# KiCad board Collins-FMS-3000.kicad_pcb (continued)
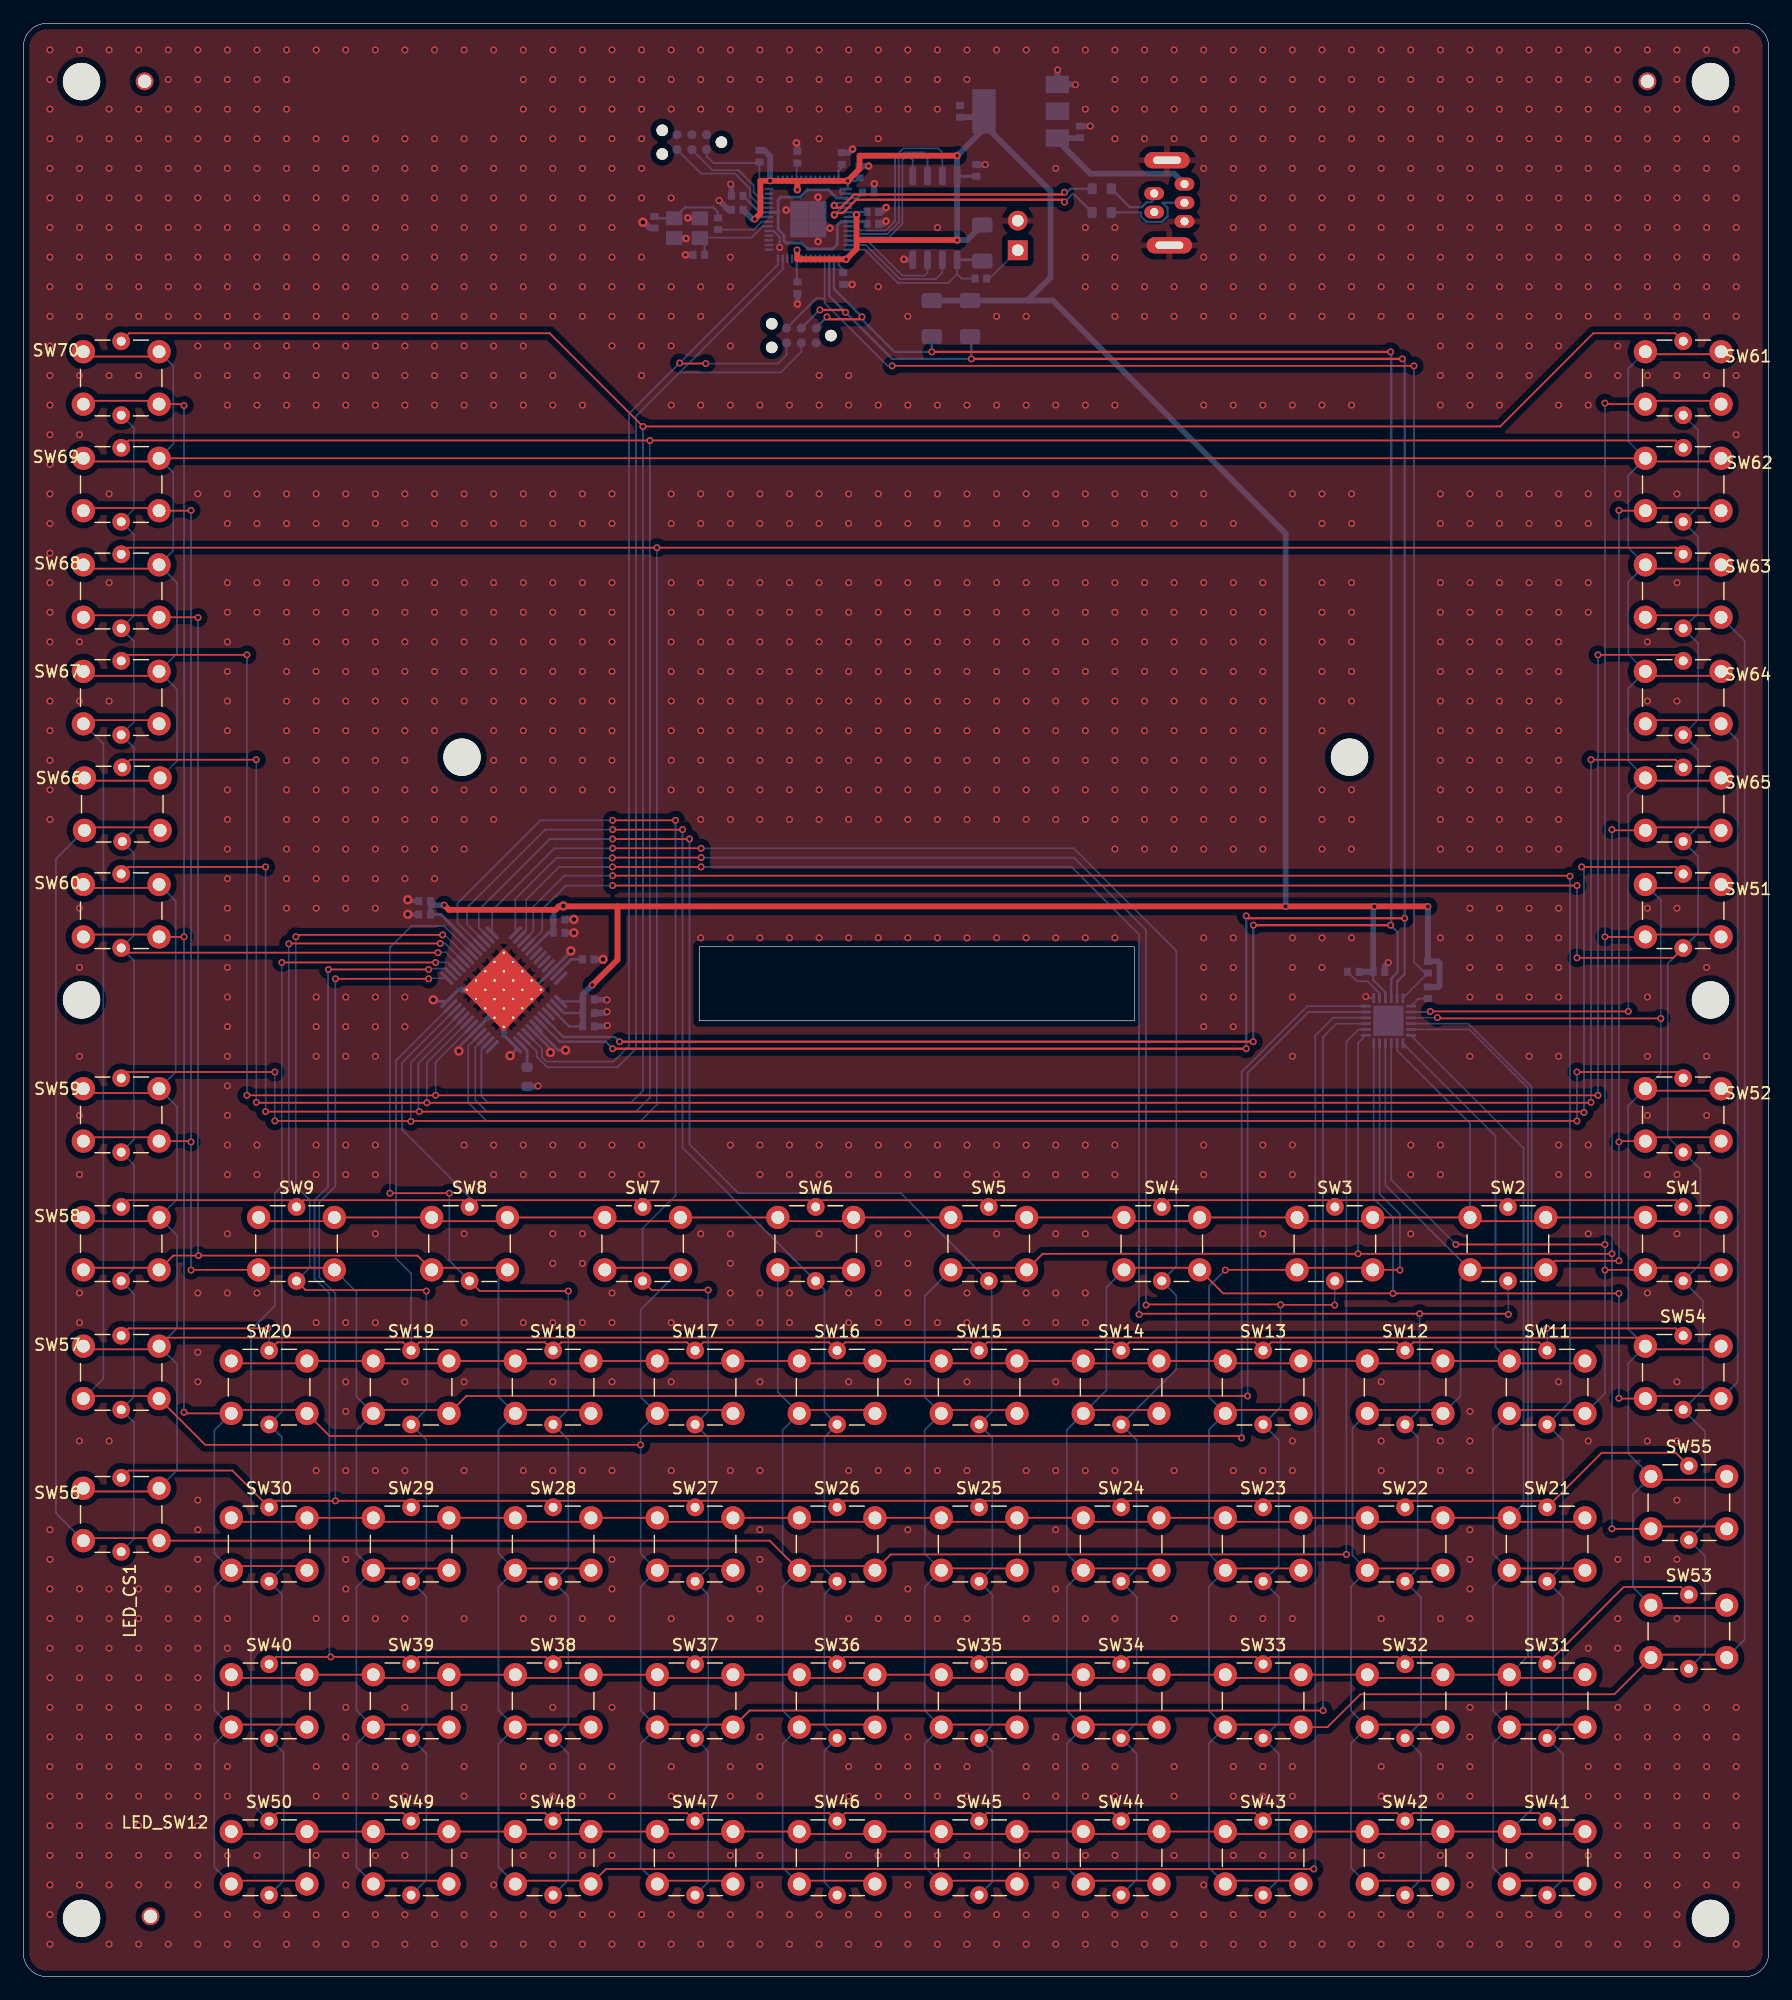
[diagram p0: board, top side]
## Routing (per net, layer and track width the routed paths; a pad name or vN(x,y) marks a point on that pad's centre or on a via; arc(x,y) is an arc through that point)
+1V1: length 24.8
  Bottom w0.2: C11.1 63.22,151.42 U6.23 ; U6.45 71.57,152.62 C10.1
  Bottom w0.25: 64.81,151.45 64.78,151.42 U6.23 ; 64.81,151.45 64.81,149.96 65.31,149.46 65.31,148.97 65.5,148.79 66.84,148.79 67.35,148.28 69.51,148.28 69.89,148.66 69.89,150.31 70.2,150.62 U6.50 72.26,150.62 C12.1 ; 64.81,151.45 64.81,152.47 65.06,152.72 66.72,152.72 67.35,153.36 69.13,153.36 69.84,152.64 70.76,152.64
+3V3: length 305.3
  Top w0.25: 71.67,149.04 71.54,149.17
  Top w0.5: v1(62.8,150.84) 63.29,151.33 63.29,154.12 66.46,154.12 ; v1(120.6,91.84) 120.58,91.86 51.02,91.86 ; v3(80.18,156.28) 71.8,156.28 71.8,155.14 v3(70.78,154.12) 66.46,154.12 ; v3(80.18,149.04) 71.67,149.04 ; 66.46,154.12 v3(66.46,153.36) ; 51.02,91.86 51.02,87.27 v1(48.84,85.1) ; 51.02,91.86 45.99,91.86 45.69,91.56 36.54,91.56 v1(36.14,91.96) ; v3(71.54,151.22) 71.54,151.22 71.54,148.28 v3(70.65,147.39) 66.46,147.39 66.44,147.41 v1(66.44,148.18)
  Bottom w0.15: U6.33 66.4,155.59
  Bottom w0.2: v3(71.54,151.22) 71.34,151.02 U6.49 ; v3(71.54,151.22) 71.78,151.45 C19.1 ; v3(71.54,151.22) 71.54,151.32 71.45,151.42 U6.48 ; U6.44 70.23,153.02 70.14,153.1 70.14,153.36 70.2,153.42 U6.43 70.79,153.99 70.57,154.2 U6.42 70,155 70.4,155.4 ; v3(66.46,153.36) 66.4,153.42 U6.33 ; 66.41,147.4 66.41,145.5 ; U2.21 116.95,84.49 115.9,85.54 C1.1 ; v1(66.44,148.18) 66.4,148.15 U6.10 ; U4.39 46.87,81.56 C28.1 ; U6.22 62.98,151.02 v1(62.8,150.84) ; U4.38 46.43,82.7 C27.1 ; U4.37 47.88,83.7 ; v3(70.65,147.39) 70.61,147.43 U6.1 70,146.9 70.4,146.5 C18.1 ; C13.1 71.53,154.12 v3(70.78,154.12) 70.78,153.99
  Bottom w0.25: 34.94,92.31 34.94,91.29 ; U4.29 45.09,89.59 45.52,89.59 ; 34.94,91.16 35.85,91.16 U4.20 ; C8.1 80.21,154.51
  Bottom w0.381: C25.1 C22.1 ; 45.52,90.74 45.52,91.36 46.05,91.89 v2(46.37,91.89)
  Bottom w0.5: 48.05,83.85 48.05,81.56 48.05,83.85 ; 48.05,83.85 48.05,84.31 v1(48.84,85.1) ; C26.1 C23.1 ; R8.1 C1.1 115.9,91.74 v1(116,91.84) ; 82.49,158.59 v3(80.18,156.28) U5.8 v3(80.18,149.04) 81.04,149.04 R3.1 ; 86.21,143.85 88.2,145.84 88.2,153.24 82.49,158.95 ; C25.1 35.31,91.96 v1(36.14,91.96) ; v1(120.6,91.84) R9.1 121.45,87.14 121.6,86.99 121.6,85.04 121.5,84.94 R12.1 ; C16.1 62.6,150.84 v1(62.8,150.84) ; v1(108.38,91.86) 108.38,123.86 88.39,143.85 R11.1 ; v1(64.12,154.12) 64.12,156.24 63.62,156.74 R13.1 ; 81.98,159.58 C9.1
GND: length 70.8
  Bottom w0.2: v3(68.24,152.72) 68.18,152.66 U6.57 ; v3(69.25,150.06) 69.24,150.04 U6.57 68.18,148.98 v3(68.24,148.91) ; v1(64.94,148.41) 64.94,149.3 64.42,149.82 U6.19 ; v3(65.5,151.62) 65.52,151.59 U6.57 ; U2.19 115.4,83.98 v1(115.26,84.12)
  Bottom w0.25: 49.01,87.31 v2(49.77,87.31) ; 46.48,90.74 v2(47.27,90.74) ; 46.48,89.59 v2(47.27,89.59) ; U4.49 41.26,80.81 U4.48 42.26,79.5 v2(41.8,79.04) ; 43.73,84.7 U4.34 47.01,87.98 v2(47.01,88.03) ; v2(45.26,79.31) 45.26,79.63 U4.44 ; 33.98,92.31 33.13,92.31 ; 33.98,91.16 33.03,91.16 ; v2(35.2,83.84) 35.34,83.7 U4.12 37.37,84.7 37.48,84.7 ; 39.9,82.28 U4.5 37.4,79.78 v2(37.4,79.44) ; U4.43 44.02,81.42 45.93,79.51 v2(46.56,79.51)
  Bottom w0.381: C26.2 v2(47.27,90.74) ; R6.2 v2(49.77,87.31) ; v2(33.01,92.43) 33.13,92.31 C25.2 ; v2(33.01,91.18) 33.03,91.16 C22.2 ; C23.2 v2(47.27,89.59)
  Bottom w0.5: 49.01,83.85 50.1,83.85 v1(50.11,83.83) ; 49.01,82.7 50,82.7 v1(50.11,82.81) ; 49.01,81.56 50.06,81.56 v1(50.14,81.63) ; v2(53.2,150.56) 53.3,150.56 53.8,150.06 C6.2 ; Y1.2 57.09,150.91 v3(57.05,150.94) ; C8.2 82.58,155.51 v1(82.59,155.52) ; v3(73.06,153.87) 73.06,153.86 C10.2 ; v3(66.38,157.38) 66.46,157.3 C15.2 ; C5.2 v3(56.85,147.77) ; v1(88.81,163.64) 88.79,163.62 U1.1 90.32,162.39 v1(90.34,162.38) ; v1(60.74,153.84) 60.8,153.78 C11.2 ; C14.2 70.9,156.54 v3(71.2,156.84) ; v3(72.57,155.39) 72.57,155.38 C13.2 ; C12.2 73.85,150.44 v3(74.07,150.66) ; C16.2 60.54,151.64 v1(59.74,152.44) ; C1.2 116.9,86.74 v1(117.2,87.04) ; v3(74.08,151.83) 73.7,151.45 C19.2 ; C18.2 71.15,145.24 v3(71.16,145.23) ; v3(75.61,147.39) 75.65,147.34 U5.4 ; v1(44.2,76.44) 44.16,76.4 R7.2 ; v3(56.91,149.17) 56.87,149.21 Y1.4 ; U4.49 41.26,80.84 ; C7.2 91.6,158.81 v1(91.61,158.82) ; C17.2 v3(66.47,143.54) ; 41.26,83.63 39.9,82.28 ; U4.49 37.48,84.7
  vias: v1(2.29,165.35) v1(2.29,162.81) v1(2.29,160.27) v1(2.29,157.73) v1(2.29,155.19) v1(2.29,152.65) v1(2.29,150.11) v1(2.29,147.57) v1(2.29,145.03) v1(2.29,142.49) v1(2.29,139.95) v1(2.29,137.41) v1(2.29,134.87) v1(2.29,132.33) v1(2.29,129.79) v1(2.29,127.25) v1(2.29,124.71) v1(2.29,122.17) v1(2.29,119.63) v1(2.29,117.09) v1(2.29,114.55) v1(2.29,112.01) v1(2.29,109.47) v1(2.29,106.93) v1(2.29,104.39) v1(2.29,101.85) v1(2.29,99.31) v1(2.29,38.35) v1(2.29,35.81) v1(2.29,33.27) v1(2.29,30.73) v1(2.29,28.19) v1(2.29,25.65) v1(2.29,23.11) v1(2.29,20.57) v1(2.29,18.03) v1(2.29,15.49) v1(2.29,12.95) v1(2.29,10.41) v1(2.29,7.87) v1(2.29,5.33) v1(2.29,2.79) v1(4.83,165.35) v1(4.83,157.73) v1(4.83,155.19) v1(4.83,152.65) v1(4.83,150.11) v1(4.83,147.57) v1(4.83,145.03) v1(4.83,142.49) v1(4.83,137.41) v1(4.83,132.33) v1(4.83,114.55) v1(4.83,109.47) v1(4.83,91.69) v1(4.83,86.61) v1(4.83,78.99) v1(4.83,73.91) v1(4.83,68.83) v1(4.83,58.67) v1(4.83,56.13) v1(4.83,45.97) v1(4.83,33.27) v1(4.83,30.73) v1(4.83,28.19) v1(4.83,25.65) v1(4.83,23.11) v1(4.83,20.57) v1(4.83,18.03) v1(4.83,15.49) v1(4.83,12.95) v1(4.83,10.41) v1(4.83,7.87) v1(7.37,165.35) v1(7.37,160.27) v1(7.37,157.73) v1(7.37,155.19) v1(7.37,152.65) v1(7.37,150.11) v1(7.37,147.57) v1(7.37,145.03) v1(7.37,142.49) v1(7.37,137.41) v1(7.37,127.25) v1(7.37,119.63) v1(7.37,109.47) v1(7.37,45.97) v1(7.37,33.27) v1(7.37,30.73) v1(7.37,28.19) v1(7.37,25.65) v1(7.37,23.11) v1(7.37,20.57) v1(7.37,18.03) v1(7.37,15.49) v1(7.37,12.95) v1(7.37,10.41) v1(7.37,7.87) v1(7.37,2.79) v1(9.91,165.35) v1(9.91,160.27) v1(9.91,157.73) v1(9.91,155.19) v1(9.91,152.65) v1(9.91,150.11) v1(9.91,147.57) v1(9.91,145.03) v1(9.91,142.49) v1(9.91,137.41) v1(9.91,33.27) v1(9.91,30.73) v1(9.91,28.19) v1(9.91,25.65) v1(9.91,23.11) v1(9.91,20.57) v1(9.91,18.03) v1(9.91,15.49) v1(9.91,12.95) v1(9.91,10.41) v1(9.91,7.87) v1(9.91,2.79) v1(12.45,165.35) v1(12.45,162.81) v1(12.45,160.27) v1(12.45,157.73) v1(12.45,155.19) v1(12.45,152.65) v1(12.45,150.11) v1(12.45,147.57) v1(12.45,145.03) v1(12.45,142.49) v1(12.45,33.27) v1(12.45,30.73) v1(12.45,28.19) v1(12.45,25.65) v1(12.45,23.11) v1(12.45,20.57) v1(12.45,18.03) v1(12.45,15.49) v1(12.45,12.95) v1(12.45,10.41) v1(12.45,7.87) v1(12.45,2.79) v1(14.99,165.35) v1(14.99,162.81) v1(14.99,160.27) v1(14.99,157.73) v1(14.99,155.19) v1(14.99,152.65) v1(14.99,150.11) v1(14.99,147.57) v1(14.99,145.03) v1(14.99,142.49) v1(14.99,139.95) v1(14.99,137.41) v1(14.99,127.25) v1(14.99,58.67) v1(14.99,53.59) v1(14.99,51.05) v1(14.99,40.89) v1(14.99,38.35) v1(14.99,35.81) v1(14.99,33.27) v1(14.99,30.73) v1(14.99,28.19) v1(14.99,25.65) v1(14.99,23.11) v1(14.99,20.57) v1(14.99,18.03) v1(14.99,15.49) v1(14.99,12.95) v1(14.99,10.41) v1(14.99,7.87) v1(14.99,5.33) v1(14.99,2.79) v1(17.53,165.35) v1(17.53,162.81) v1(17.53,160.27) v1(17.53,157.73) v1(17.53,155.19) v1(17.53,152.65) v1(17.53,150.11) v1(17.53,147.57) v1(17.53,145.03) v1(17.53,142.49) v1(17.53,139.95) v1(17.53,137.41) v1(17.53,134.87) v1(17.53,127.25) v1(17.53,124.71) v1(17.53,119.63) v1(17.53,117.09) v1(17.53,114.55) v1(17.53,112.01) v1(17.53,109.47) v1(17.53,106.93) v1(17.53,101.85) v1(17.53,99.31) v1(17.53,96.77) v1(17.53,94.23) v1(17.53,91.69) v1(17.53,89.15) v1(17.53,86.61) v1(17.53,84.07) v1(17.53,81.53) v1(17.53,78.99) v1(17.53,76.45) v1(17.53,73.91) v1(17.53,71.37) v1(17.53,68.83) v1(17.53,63.75) v1(17.53,58.67) v1(17.53,30.73) v1(17.53,28.19) v1(17.53,18.03) v1(17.53,15.49) v1(17.53,10.41) v1(17.53,5.33) v1(17.53,2.79) v1(20.07,165.35) v1(20.07,162.81) v1(20.07,160.27) v1(20.07,157.73) v1(20.07,155.19) v1(20.07,152.65) v1(20.07,150.11) v1(20.07,147.57) v1(20.07,145.03) v1(20.07,142.49) v1(20.07,139.95) v1(20.07,137.41) v1(20.07,134.87) v1(20.07,127.25) v1(20.07,124.71) v1(20.07,119.63) v1(20.07,117.09) v1(20.07,71.37) v1(20.07,68.83) v1(20.07,58.67) v1(20.07,10.41) v1(20.07,5.33) v1(20.07,2.79) v1(22.61,165.35) v1(22.61,162.81) v1(22.61,160.27) v1(22.61,157.73) v1(22.61,155.19) v1(22.61,152.65) v1(22.61,150.11) v1(22.61,147.57) v1(22.61,145.03) v1(22.61,142.49) v1(22.61,139.95) v1(22.61,137.41) v1(22.61,134.87) v1(22.61,127.25) v1(22.61,124.71) v1(22.61,119.63) v1(22.61,117.09) v1(22.61,114.55) v1(22.61,112.01) v1(22.61,109.47) v1(22.61,106.93) v1(22.61,104.39) v1(22.61,101.85) v1(22.61,99.31) v1(22.61,96.77) v1(22.61,94.23) v1(22.61,91.69) v1(22.61,5.33) v1(22.61,2.79) v1(25.15,165.35) v1(25.15,157.73) v1(25.15,155.19) v1(25.15,152.65) v1(25.15,150.11) v1(25.15,147.57) v1(25.15,145.03) v1(25.15,142.49) v1(25.15,139.95) v1(25.15,137.41) v1(25.15,134.87) v1(25.15,127.25) v1(25.15,124.71) v1(25.15,119.63) v1(25.15,117.09) v1(25.15,114.55) v1(25.15,112.01) v1(25.15,109.47) v1(25.15,106.93) v1(25.15,104.39) v1(25.15,101.85) v1(25.15,99.31) v1(25.15,96.77) v1(25.15,94.23) v1(25.15,91.69) v1(25.15,84.07) v1(25.15,81.53) v1(25.15,78.99) v1(25.15,71.37) v1(25.15,68.83) v1(25.15,56.13) v1(25.15,43.43) v1(25.15,30.73) v1(25.15,18.03) v1(25.15,15.49) v1(25.15,10.41) v1(25.15,5.33) v1(25.15,2.79) v1(27.69,165.35) v1(27.69,157.73) v1(27.69,155.19) v1(27.69,152.65) v1(27.69,150.11) v1(27.69,147.57) v1(27.69,145.03) v1(27.69,142.49) v1(27.69,139.95) v1(27.69,137.41) v1(27.69,134.87) v1(27.69,127.25) v1(27.69,124.71) v1(27.69,119.63) v1(27.69,117.09) v1(27.69,114.55) v1(27.69,112.01) v1(27.69,109.47) v1(27.69,106.93) v1(27.69,104.39) v1(27.69,101.85) v1(27.69,99.31) v1(27.69,96.77) v1(27.69,94.23) v1(27.69,91.69) v1(27.69,84.07) v1(27.69,81.53) v1(27.69,78.99) v1(27.69,71.37) v1(27.69,68.83) v1(27.69,56.13) v1(27.69,51.05) v1(27.69,48.51) v1(27.69,43.43) v1(27.69,35.81) v1(27.69,33.27) v1(27.69,30.73) v1(27.69,23.11) v1(27.69,20.57) v1(27.69,18.03) v1(27.69,15.49) v1(27.69,10.41) v1(27.69,7.87) v1(27.69,5.33) v1(27.69,2.79) v1(30.23,165.35) v1(30.23,157.73) v1(30.23,155.19) v1(30.23,152.65) v1(30.23,150.11) v1(30.23,147.57) v1(30.23,145.03) v1(30.23,142.49) v1(30.23,139.95) v1(30.23,137.41) v1(30.23,134.87) v1(30.23,127.25) v1(30.23,124.71) v1(30.23,119.63) v1(30.23,117.09) v1(30.23,114.55) v1(30.23,112.01) v1(30.23,109.47) v1(30.23,106.93) v1(30.23,104.39) v1(30.23,101.85) v1(30.23,99.31) v1(30.23,96.77) v1(30.23,94.23) v1(30.23,91.69) v1(30.23,84.07) v1(30.23,81.53) v1(30.23,78.99) v1(30.23,71.37) v1(30.23,68.83) v1(30.23,63.75) v1(30.23,56.13) v1(30.23,43.43) v1(30.23,30.73) v1(30.23,18.03) v1(30.23,15.49) v1(30.23,10.41) v1(30.23,5.33) v1(30.23,2.79) v1(32.77,165.35) v1(32.77,157.73) v1(32.77,155.19) v1(32.77,152.65) v1(32.77,150.11) v1(32.77,147.57) v1(32.77,145.03) v1(32.77,142.49) v1(32.77,139.95) v1(32.77,137.41) v1(32.77,134.87) v1(32.77,127.25) v1(32.77,124.71) v1(32.77,119.63) v1(32.77,117.09) v1(32.77,114.55) v1(32.77,112.01) v1(32.77,109.47) v1(32.77,106.93) v1(32.77,104.39) v1(32.77,101.85) v1(32.77,99.31) v1(32.77,96.77) v1(32.77,94.23) v1(32.77,84.07) v1(32.77,81.53) v1(32.77,51.05) v1(32.77,43.43) v1(32.77,30.73) v1(32.77,23.11) v1(32.77,18.03) v1(32.77,15.49) v1(32.77,10.41) v1(32.77,5.33) v1(32.77,2.79) v1(35.31,165.35) v1(35.31,157.73) v1(35.31,155.19) v1(35.31,152.65) v1(35.31,150.11) v1(35.31,147.57) v1(35.31,145.03) v1(35.31,142.49) v1(35.31,139.95) v1(35.31,137.41) v1(35.31,134.87) v1(35.31,127.25) v1(35.31,124.71) v1(35.31,119.63) v1(35.31,117.09) v1(35.31,114.55) v1(35.31,112.01) v1(35.31,109.47) v1(35.31,106.93) v1(35.31,101.85) v1(35.31,99.31) v1(35.31,96.77) v1(35.31,94.23) v1(35.31,5.33) v1(35.31,2.79) v1(37.85,165.35) v1(37.85,157.73) v1(37.85,155.19) v1(37.85,152.65) v1(37.85,150.11) v1(37.85,147.57) v1(37.85,145.03) v1(37.85,142.49) v1(37.85,139.95) v1(37.85,137.41) v1(37.85,134.87) v1(37.85,127.25) v1(37.85,124.71) v1(37.85,119.63) v1(37.85,117.09) v1(37.85,114.55) v1(37.85,112.01) v1(37.85,109.47) v1(37.85,101.85) v1(37.85,99.31) v1(37.85,96.77) v1(37.85,71.37) v1(37.85,63.75) v1(37.85,56.13) v1(37.85,51.05) v1(37.85,43.43) v1(37.85,30.73) v1(37.85,23.11) v1(37.85,18.03) v1(37.85,15.49) v1(37.85,10.41) v1(37.85,5.33) v1(37.85,2.79) v1(40.39,165.35) v1(40.39,157.73) v1(40.39,155.19) v1(40.39,152.65) v1(40.39,150.11) v1(40.39,147.57) v1(40.39,145.03) v1(40.39,142.49) v1(40.39,139.95) v1(40.39,137.41) v1(40.39,134.87) v1(40.39,127.25) v1(40.39,124.71) v1(40.39,119.63) v1(40.39,117.09) v1(40.39,114.55) v1(40.39,112.01) v1(40.39,109.47) v1(40.39,106.93) v1(40.39,104.39) v1(40.39,101.85) v1(40.39,99.31) v1(40.39,71.37) v1(40.39,68.83) v1(40.39,7.87) v1(40.39,5.33) v1(40.39,2.79) v1(42.93,165.35) v1(42.93,162.81) v1(42.93,160.27) v1(42.93,157.73) v1(42.93,155.19) v1(42.93,152.65) v1(42.93,150.11) v1(42.93,147.57) v1(42.93,145.03) v1(42.93,142.49) v1(42.93,139.95) v1(42.93,137.41) v1(42.93,134.87) v1(42.93,127.25) v1(42.93,124.71) v1(42.93,119.63) v1(42.93,117.09) v1(42.93,114.55) v1(42.93,112.01) v1(42.93,109.47) v1(42.93,106.93) v1(42.93,104.39) v1(42.93,101.85) v1(42.93,71.37) v1(42.93,68.83) v1(42.93,56.13) v1(42.93,43.43) v1(42.93,30.73) v1(42.93,18.03) v1(42.93,15.49) v1(42.93,10.41) v1(42.93,5.33) v1(42.93,2.79) v1(45.47,165.35) v1(45.47,162.81) v1(45.47,160.27) v1(45.47,157.73) v1(45.47,155.19) v1(45.47,152.65) v1(45.47,150.11) v1(45.47,147.57) v1(45.47,145.03) v1(45.47,142.49) v1(45.47,137.41) v1(45.47,134.87) v1(45.47,127.25) v1(45.47,124.71) v1(45.47,119.63) v1(45.47,117.09) v1(45.47,114.55) v1(45.47,112.01) v1(45.47,109.47) v1(45.47,106.93) v1(45.47,104.39) v1(45.47,101.85) v1(45.47,71.37) v1(45.47,68.83) v1(45.47,63.75) v1(45.47,61.21) v1(45.47,56.13) v1(45.47,51.05) v1(45.47,43.43) v1(45.47,30.73) v1(45.47,23.11) v1(45.47,18.03) v1(45.47,15.49) v1(45.47,10.41) v1(45.47,5.33) v1(45.47,2.79) v1(48.01,165.35) v1(48.01,162.81) v1(48.01,160.27) v1(48.01,157.73) v1(48.01,155.19) v1(48.01,152.65) v1(48.01,150.11) v1(48.01,147.57) v1(48.01,145.03) v1(48.01,142.49) v1(48.01,134.87) v1(48.01,127.25) v1(48.01,124.71) v1(48.01,119.63) v1(48.01,117.09) v1(48.01,114.55) v1(48.01,112.01) v1(48.01,109.47) v1(48.01,106.93) v1(48.01,104.39) v1(48.01,101.85) v1(48.01,71.37) v1(48.01,68.83) v1(48.01,63.75) v1(48.01,61.21) v1(48.01,56.13) v1(48.01,43.43) v1(48.01,30.73) v1(48.01,18.03) v1(48.01,15.49) v1(48.01,10.41) v1(48.01,5.33) v1(48.01,2.79) v1(50.55,165.35) v1(50.55,162.81) v1(50.55,160.27) v1(50.55,157.73) v1(50.55,155.19) v1(50.55,152.65) v1(50.55,150.11) v1(50.55,147.57) v1(50.55,145.03) v1(50.55,142.49) v1(50.55,139.95) v1(50.55,127.25) v1(50.55,124.71) v1(50.55,119.63) v1(50.55,117.09) v1(50.55,114.55) v1(50.55,112.01) v1(50.55,109.47) v1(50.55,106.93) v1(50.55,104.39) v1(50.55,101.85) v1(50.55,71.37) v1(50.55,68.83) v1(50.55,58.67) v1(50.55,56.13) v1(50.55,51.05) v1(50.55,43.43) v1(50.55,35.81) v1(50.55,33.27) v1(50.55,30.73) v1(50.55,23.11) v1(50.55,18.03) v1(50.55,15.49) v1(50.55,10.41) v1(50.55,5.33) v1(50.55,2.79) v1(53.09,165.35) v1(53.09,162.81) v1(53.09,160.27) v1(53.09,157.73) v1(53.09,155.19) v1(53.09,152.65) v1(53.09,147.57) v1(53.09,145.03) v1(53.09,142.49) v1(53.09,139.95) v1(53.09,137.41) v1(53.09,71.37) v1(53.09,68.83) v1(53.09,5.33) v1(53.09,2.79) v1(55.63,165.35) v1(55.63,162.81) v1(55.63,160.27) v1(55.63,152.65) v1(55.63,145.03) v1(55.63,142.49) v1(55.63,139.95) v1(55.63,134.87) v1(55.63,127.25) v1(55.63,124.71) v1(55.63,119.63) v1(55.63,117.09) v1(55.63,114.55) v1(55.63,112.01) v1(55.63,109.47) v1(55.63,106.93) v1(55.63,104.39) v1(55.63,101.85) v1(55.63,56.13) v1(55.63,51.05) v1(55.63,43.43) v1(55.63,30.73) v1(55.63,18.03) v1(55.63,15.49) v1(55.63,10.41) v1(55.63,5.33) v1(55.63,2.79) v1(58.17,165.35) v1(58.17,162.81) v1(58.17,160.27) v1(58.17,145.03) v1(58.17,142.49) v1(58.17,134.87) v1(58.17,127.25) v1(58.17,124.71) v1(58.17,119.63) v1(58.17,117.09) v1(58.17,114.55) v1(58.17,112.01) v1(58.17,109.47) v1(58.17,106.93) v1(58.17,104.39) v1(58.17,101.85) v1(58.17,99.31) v1(58.17,89.15) v1(58.17,63.75) v1(58.17,5.33) v1(58.17,2.79) v1(60.71,165.35) v1(60.71,162.81) v1(60.71,160.27) v1(60.71,147.57) v1(60.71,145.03) v1(60.71,139.95) v1(60.71,134.87) v1(60.71,127.25) v1(60.71,124.71) v1(60.71,119.63) v1(60.71,117.09) v1(60.71,114.55) v1(60.71,112.01) v1(60.71,109.47) v1(60.71,106.93) v1(60.71,104.39) v1(60.71,101.85) v1(60.71,99.31) v1(60.71,89.15) v1(60.71,71.37) v1(60.71,63.75) v1(60.71,61.21) v1(60.71,58.67) v1(60.71,56.13) v1(60.71,43.43) v1(60.71,30.73) v1(60.71,18.03) v1(60.71,15.49) v1(60.71,10.41) v1(60.71,5.33) v1(60.71,2.79) v1(63.25,165.35) v1(63.25,162.81) v1(63.25,160.27) v1(63.25,134.87) v1(63.25,127.25) v1(63.25,124.71) v1(63.25,119.63) v1(63.25,117.09) v1(63.25,114.55) v1(63.25,112.01) v1(63.25,109.47) v1(63.25,106.93) v1(63.25,104.39) v1(63.25,101.85) v1(63.25,99.31) v1(63.25,89.15) v1(63.25,71.37) v1(63.25,68.83) v1(63.25,58.67) v1(63.25,56.13) v1(63.25,51.05) v1(63.25,43.43) v1(63.25,38.35) v1(63.25,35.81) v1(63.25,33.27) v1(63.25,30.73) v1(63.25,20.57) v1(63.25,18.03) v1(63.25,15.49) v1(63.25,10.41) v1(63.25,7.87) v1(63.25,5.33) v1(63.25,2.79) v1(65.79,165.35) v1(65.79,162.81) v1(65.79,160.27) v1(65.79,134.87) v1(65.79,127.25) v1(65.79,124.71) v1(65.79,119.63) v1(65.79,117.09) v1(65.79,114.55) v1(65.79,112.01) v1(65.79,109.47) v1(65.79,106.93) v1(65.79,104.39) v1(65.79,101.85) v1(65.79,99.31) v1(65.79,89.15) v1(65.79,71.37) v1(65.79,68.83) v1(65.79,58.67) v1(65.79,56.13) v1(65.79,5.33) v1(65.79,2.79) v1(68.33,165.35) v1(68.33,162.81) v1(68.33,160.27) v1(68.33,157.73) v1(68.33,137.41) v1(68.33,134.87) v1(68.33,127.25) v1(68.33,124.71) v1(68.33,119.63) v1(68.33,117.09) v1(68.33,114.55) v1(68.33,112.01) v1(68.33,109.47) v1(68.33,106.93) v1(68.33,104.39) v1(68.33,101.85) v1(68.33,99.31) v1(68.33,89.15) v1(68.33,71.37) v1(68.33,68.83) v1(68.33,63.75) v1(68.33,5.33) v1(68.33,2.79) v1(70.87,165.35) v1(70.87,162.81) v1(70.87,160.27) v1(70.87,137.41) v1(70.87,134.87) v1(70.87,127.25) v1(70.87,124.71) v1(70.87,119.63) v1(70.87,117.09) v1(70.87,114.55) v1(70.87,112.01) v1(70.87,109.47) v1(70.87,106.93) v1(70.87,104.39) v1(70.87,101.85) v1(70.87,99.31) v1(70.87,89.15) v1(70.87,71.37) v1(70.87,68.83) v1(70.87,58.67) v1(70.87,56.13) v1(70.87,51.05) v1(70.87,43.43) v1(70.87,30.73) v1(70.87,18.03) v1(70.87,15.49) v1(70.87,10.41) v1(70.87,5.33) v1(70.87,2.79) v1(73.41,165.35) v1(73.41,162.81) v1(73.41,160.27) v1(73.41,157.73) v1(73.41,145.03) v1(73.41,134.87) v1(73.41,127.25) v1(73.41,124.71) v1(73.41,119.63) v1(73.41,117.09) v1(73.41,114.55) v1(73.41,112.01) v1(73.41,109.47) v1(73.41,106.93) v1(73.41,104.39) v1(73.41,101.85) v1(73.41,99.31) v1(73.41,89.15) v1(73.41,71.37) v1(73.41,68.83) v1(73.41,63.75) v1(73.41,61.21) v1(73.41,58.67) v1(73.41,56.13) v1(73.41,43.43) v1(73.41,30.73) v1(73.41,18.03) v1(73.41,15.49) v1(73.41,10.41) v1(73.41,5.33) v1(73.41,2.79) v1(75.95,165.35) v1(75.95,162.81) v1(75.95,160.27) v1(75.95,142.49) v1(75.95,134.87) v1(75.95,127.25) v1(75.95,124.71) v1(75.95,119.63) v1(75.95,117.09) v1(75.95,114.55) v1(75.95,112.01) v1(75.95,109.47) v1(75.95,106.93) v1(75.95,104.39) v1(75.95,101.85) v1(75.95,99.31) v1(75.95,89.15) v1(75.95,71.37) v1(75.95,68.83) v1(75.95,63.75) v1(75.95,61.21) v1(75.95,58.67) v1(75.95,56.13) v1(75.95,51.05) v1(75.95,43.43) v1(75.95,38.35) v1(75.95,33.27) v1(75.95,30.73) v1(75.95,20.57) v1(75.95,18.03) v1(75.95,15.49) v1(75.95,10.41) v1(75.95,7.87) v1(75.95,5.33) v1(75.95,2.79) v1(78.49,165.35) v1(78.49,162.81) v1(78.49,160.27) v1(78.49,150.11) v1(78.49,134.87) v1(78.49,127.25) v1(78.49,124.71) v1(78.49,119.63) v1(78.49,117.09) v1(78.49,114.55) v1(78.49,112.01) v1(78.49,109.47) v1(78.49,106.93) v1(78.49,104.39) v1(78.49,101.85) v1(78.49,99.31) v1(78.49,89.15) v1(78.49,71.37) v1(78.49,68.83) v1(78.49,56.13) v1(78.49,43.43) v1(78.49,30.73) v1(78.49,18.03) v1(78.49,15.49) v1(78.49,10.41) v1(78.49,5.33) v1(78.49,2.79) v1(81.03,165.35) v1(81.03,162.81) v1(81.03,134.87) v1(81.03,127.25) v1(81.03,124.71) v1(81.03,119.63) v1(81.03,117.09) v1(81.03,114.55) v1(81.03,112.01) v1(81.03,109.47) v1(81.03,106.93) v1(81.03,104.39) v1(81.03,101.85) v1(81.03,99.31) v1(81.03,89.15) v1(81.03,71.37) v1(81.03,68.83) v1(81.03,58.67) v1(81.03,56.13) v1(81.03,51.05) v1(81.03,43.43) v1(81.03,30.73) v1(81.03,18.03) v1(81.03,15.49) v1(81.03,10.41) v1(81.03,5.33) v1(81.03,2.79) v1(83.57,165.35) v1(83.57,142.49) v1(83.57,134.87) v1(83.57,127.25) v1(83.57,124.71) v1(83.57,119.63) v1(83.57,117.09) v1(83.57,114.55) v1(83.57,112.01) v1(83.57,109.47) v1(83.57,106.93) v1(83.57,104.39) v1(83.57,101.85) v1(83.57,99.31) v1(83.57,89.15) v1(83.57,71.37) v1(83.57,68.83) v1(83.57,63.75) v1(83.57,5.33) v1(83.57,2.79) v1(86.11,165.35) v1(86.11,142.49) v1(86.11,134.87) v1(86.11,127.25) v1(86.11,124.71) v1(86.11,119.63) v1(86.11,117.09) v1(86.11,114.55) v1(86.11,112.01) v1(86.11,109.47) v1(86.11,106.93) v1(86.11,104.39) v1(86.11,101.85) v1(86.11,99.31) v1(86.11,89.15) v1(86.11,71.37) v1(86.11,68.83) v1(86.11,58.67) v1(86.11,56.13) v1(86.11,43.43) v1(86.11,30.73) v1(86.11,18.03) v1(86.11,15.49) v1(86.11,10.41) v1(86.11,5.33) v1(86.11,2.79) v1(88.65,165.35) v1(88.65,155.19) v1(88.65,134.87) v1(88.65,127.25) v1(88.65,124.71) v1(88.65,119.63) v1(88.65,117.09) v1(88.65,114.55) v1(88.65,112.01) v1(88.65,109.47) v1(88.65,106.93) v1(88.65,104.39) v1(88.65,101.85) v1(88.65,99.31) v1(88.65,89.15) v1(88.65,71.37) v1(88.65,68.83) v1(88.65,63.75) v1(88.65,58.67) v1(88.65,56.13) v1(88.65,51.05) v1(88.65,43.43) v1(88.65,38.35) v1(88.65,33.27) v1(88.65,30.73) v1(88.65,20.57) v1(88.65,18.03) v1(88.65,15.49) v1(88.65,10.41) v1(88.65,7.87) v1(88.65,5.33) v1(88.65,2.79) v1(91.19,165.35) v1(91.19,160.27) v1(91.19,150.11) v1(91.19,147.57) v1(91.19,145.03) v1(91.19,134.87) v1(91.19,127.25) v1(91.19,124.71) v1(91.19,119.63) v1(91.19,117.09) v1(91.19,114.55) v1(91.19,112.01) v1(91.19,109.47) v1(91.19,106.93) v1(91.19,104.39) v1(91.19,101.85) v1(91.19,99.31) v1(91.19,89.15) v1(91.19,71.37) v1(91.19,68.83) v1(91.19,63.75) v1(91.19,58.67) v1(91.19,56.13) v1(91.19,43.43) v1(91.19,30.73) v1(91.19,18.03) v1(91.19,15.49) v1(91.19,10.41) v1(91.19,5.33) v1(91.19,2.79) v1(93.73,165.35) v1(93.73,162.81) v1(93.73,160.27) v1(93.73,157.73) v1(93.73,150.11) v1(93.73,147.57) v1(93.73,145.03) v1(93.73,142.49) v1(93.73,134.87) v1(93.73,127.25) v1(93.73,124.71) v1(93.73,119.63) v1(93.73,117.09) v1(93.73,114.55) v1(93.73,112.01) v1(93.73,109.47) v1(93.73,106.93) v1(93.73,104.39) v1(93.73,101.85) v1(93.73,99.31) v1(93.73,96.77) v1(93.73,89.15) v1(93.73,71.37) v1(93.73,68.83) v1(93.73,43.43) v1(93.73,30.73) v1(93.73,18.03) v1(93.73,15.49) v1(93.73,10.41) v1(93.73,5.33) v1(93.73,2.79) v1(96.27,165.35) v1(96.27,162.81) v1(96.27,160.27) v1(96.27,157.73) v1(96.27,145.03) v1(96.27,142.49) v1(96.27,127.25) v1(96.27,124.71) v1(96.27,119.63) v1(96.27,117.09) v1(96.27,114.55) v1(96.27,112.01) v1(96.27,109.47) v1(96.27,106.93) v1(96.27,104.39) v1(96.27,101.85) v1(96.27,99.31) v1(96.27,96.77) v1(96.27,5.33) v1(96.27,2.79) v1(98.81,165.35) v1(98.81,162.81) v1(98.81,160.27) v1(98.81,157.73) v1(98.81,145.03) v1(98.81,142.49) v1(98.81,127.25) v1(98.81,124.71) v1(98.81,119.63) v1(98.81,117.09) v1(98.81,114.55) v1(98.81,112.01) v1(98.81,109.47) v1(98.81,106.93) v1(98.81,104.39) v1(98.81,101.85) v1(98.81,99.31) v1(98.81,96.77) v1(98.81,43.43) v1(98.81,30.73) v1(98.81,18.03) v1(98.81,15.49) v1(98.81,10.41) v1(98.81,5.33) v1(98.81,2.79) v1(101.35,165.35) v1(101.35,162.81) v1(101.35,160.27) v1(101.35,157.73) v1(101.35,155.19) v1(101.35,147.57) v1(101.35,145.03) v1(101.35,142.49) v1(101.35,134.87) v1(101.35,127.25) v1(101.35,124.71) v1(101.35,119.63) v1(101.35,117.09) v1(101.35,114.55) v1(101.35,112.01) v1(101.35,109.47) v1(101.35,106.93) v1(101.35,104.39) v1(101.35,101.85) v1(101.35,99.31) v1(101.35,96.77) v1(101.35,89.15) v1(101.35,86.61) v1(101.35,84.07) v1(101.35,81.53) v1(101.35,71.37) v1(101.35,68.83) v1(101.35,7.87) v1(101.35,5.33) v1(101.35,2.79) v1(103.89,165.35) v1(103.89,162.81) v1(103.89,160.27) v1(103.89,157.73) v1(103.89,155.19) v1(103.89,152.65) v1(103.89,150.11) v1(103.89,147.57) v1(103.89,145.03) v1(103.89,142.49) v1(103.89,134.87) v1(103.89,124.71) v1(103.89,119.63) v1(103.89,117.09) v1(103.89,114.55) v1(103.89,112.01) v1(103.89,109.47) v1(103.89,106.93) v1(103.89,104.39) v1(103.89,101.85) v1(103.89,99.31) v1(103.89,96.77) v1(103.89,89.15) v1(103.89,86.61) v1(103.89,84.07) v1(103.89,81.53) v1(103.89,43.43) v1(103.89,30.73) v1(103.89,18.03) v1(103.89,15.49) v1(103.89,10.41) v1(103.89,5.33) v1(103.89,2.79) v1(106.43,165.35) v1(106.43,162.81) v1(106.43,160.27) v1(106.43,157.73) v1(106.43,155.19) v1(106.43,152.65) v1(106.43,150.11) v1(106.43,147.57) v1(106.43,145.03) v1(106.43,142.49) v1(106.43,134.87) v1(106.43,119.63) v1(106.43,117.09) v1(106.43,114.55) v1(106.43,112.01) v1(106.43,109.47) v1(106.43,106.93) v1(106.43,104.39) v1(106.43,101.85) v1(106.43,99.31) v1(106.43,96.77) v1(106.43,71.37) v1(106.43,68.83) v1(106.43,63.75) v1(106.43,43.43) v1(106.43,30.73) v1(106.43,18.03) v1(106.43,15.49) v1(106.43,10.41) v1(106.43,5.33) v1(106.43,2.79) v1(108.97,165.35) v1(108.97,162.81) v1(108.97,160.27) v1(108.97,157.73) v1(108.97,155.19) v1(108.97,152.65) v1(108.97,150.11) v1(108.97,147.57) v1(108.97,145.03) v1(108.97,142.49) v1(108.97,134.87) v1(108.97,127.25) v1(108.97,89.15) v1(108.97,86.61) v1(108.97,84.07) v1(108.97,78.99) v1(108.97,71.37) v1(108.97,68.83) v1(108.97,45.97) v1(108.97,43.43) v1(108.97,30.73) v1(108.97,18.03) v1(108.97,15.49) v1(108.97,10.41) v1(108.97,5.33) v1(108.97,2.79) v1(111.51,165.35) v1(111.51,162.81) v1(111.51,160.27) v1(111.51,157.73) v1(111.51,155.19) v1(111.51,152.65) v1(111.51,150.11) v1(111.51,147.57) v1(111.51,145.03) v1(111.51,142.49) v1(111.51,134.87) v1(111.51,127.25) v1(111.51,124.71) v1(111.51,119.63) v1(111.51,117.09) v1(111.51,114.55) v1(111.51,112.01) v1(111.51,109.47) v1(111.51,106.93) v1(111.51,101.85) v1(111.51,99.31) v1(111.51,96.77) v1(111.51,89.15) v1(111.51,86.61) v1(111.51,5.33) v1(111.51,2.79) v1(114.05,165.35) v1(114.05,162.81) v1(114.05,160.27) v1(114.05,157.73) v1(114.05,155.19) v1(114.05,152.65) v1(114.05,150.11) v1(114.05,147.57) v1(114.05,145.03) v1(114.05,142.49) v1(114.05,134.87) v1(114.05,127.25) v1(114.05,124.71) v1(114.05,119.63) v1(114.05,117.09) v1(114.05,114.55) v1(114.05,112.01) v1(114.05,109.47) v1(114.05,101.85) v1(114.05,99.31) v1(114.05,96.77) v1(114.05,89.15) v1(114.05,5.33) v1(114.05,2.79) v1(116.59,165.35) v1(116.59,162.81) v1(116.59,160.27) v1(116.59,157.73) v1(116.59,155.19) v1(116.59,152.65) v1(116.59,150.11) v1(116.59,147.57) v1(116.59,145.03) v1(116.59,142.49) v1(116.59,51.05) v1(116.59,45.97) v1(116.59,43.43) v1(116.59,30.73) v1(116.59,18.03) v1(116.59,15.49) v1(116.59,10.41) v1(116.59,5.33) v1(116.59,2.79) v1(119.13,165.35) v1(119.13,162.81) v1(119.13,160.27) v1(119.13,157.73) v1(119.13,155.19) v1(119.13,152.65) v1(119.13,150.11) v1(119.13,147.57) v1(119.13,145.03) v1(119.13,142.49) v1(119.13,71.37) v1(119.13,68.83) v1(119.13,63.75) v1(119.13,5.33) v1(119.13,2.79) v1(121.67,165.35) v1(121.67,162.81) v1(121.67,160.27) v1(121.67,157.73) v1(121.67,155.19) v1(121.67,152.65) v1(121.67,150.11) v1(121.67,147.57) v1(121.67,145.03) v1(121.67,142.49) v1(121.67,139.95) v1(121.67,137.41) v1(121.67,134.87) v1(121.67,127.25) v1(121.67,124.71) v1(121.67,119.63) v1(121.67,117.09) v1(121.67,114.55) v1(121.67,112.01) v1(121.67,109.47) v1(121.67,106.93) v1(121.67,104.39) v1(121.67,101.85) v1(121.67,99.31) v1(121.67,96.77) v1(121.67,89.15) v1(121.67,71.37) v1(121.67,68.83) v1(121.67,45.97) v1(121.67,43.43) v1(121.67,30.73) v1(121.67,18.03) v1(121.67,15.49) v1(121.67,10.41) v1(121.67,5.33) v1(121.67,2.79) v1(124.21,165.35) v1(124.21,162.81) v1(124.21,160.27) v1(124.21,157.73) v1(124.21,155.19) v1(124.21,152.65) v1(124.21,150.11) v1(124.21,147.57) v1(124.21,145.03) v1(124.21,142.49) v1(124.21,139.95) v1(124.21,137.41) v1(124.21,134.87) v1(124.21,127.25) v1(124.21,124.71) v1(124.21,119.63) v1(124.21,117.09) v1(124.21,114.55) v1(124.21,112.01) v1(124.21,109.47) v1(124.21,106.93) v1(124.21,104.39) v1(124.21,101.85) v1(124.21,99.31) v1(124.21,96.77) v1(124.21,91.69) v1(124.21,89.15) v1(124.21,86.61) v1(124.21,84.07) v1(124.21,78.99) v1(124.21,48.51) v1(124.21,45.97) v1(124.21,43.43) v1(124.21,38.35) v1(124.21,35.81) v1(124.21,33.27) v1(124.21,30.73) v1(124.21,23.11) v1(124.21,20.57) v1(124.21,18.03) v1(124.21,15.49) v1(124.21,10.41) v1(124.21,7.87) v1(124.21,5.33) v1(124.21,2.79) v1(126.75,165.35) v1(126.75,162.81) v1(126.75,160.27) v1(126.75,157.73) v1(126.75,155.19) v1(126.75,152.65) v1(126.75,150.11) v1(126.75,147.57) v1(126.75,145.03) v1(126.75,142.49) v1(126.75,139.95) v1(126.75,137.41) v1(126.75,134.87) v1(126.75,127.25) v1(126.75,124.71) v1(126.75,119.63) v1(126.75,117.09) v1(126.75,114.55) v1(126.75,112.01) v1(126.75,109.47) v1(126.75,106.93) v1(126.75,104.39) v1(126.75,101.85) v1(126.75,99.31) v1(126.75,96.77) v1(126.75,91.69) v1(126.75,89.15) v1(126.75,86.61) v1(126.75,84.07) v1(126.75,5.33) v1(126.75,2.79) v1(129.29,165.35) v1(129.29,162.81) v1(129.29,160.27) v1(129.29,157.73) v1(129.29,155.19) v1(129.29,152.65) v1(129.29,150.11) v1(129.29,147.57) v1(129.29,145.03) v1(129.29,142.49) v1(129.29,139.95) v1(129.29,137.41) v1(129.29,127.25) v1(129.29,124.71) v1(129.29,119.63) v1(129.29,117.09) v1(129.29,114.55) v1(129.29,112.01) v1(129.29,109.47) v1(129.29,106.93) v1(129.29,104.39) v1(129.29,101.85) v1(129.29,99.31) v1(129.29,96.77) v1(129.29,91.69) v1(129.29,89.15) v1(129.29,86.61) v1(129.29,84.07) v1(129.29,78.99) v1(129.29,10.41) v1(129.29,5.33) v1(129.29,2.79) v1(131.83,165.35) v1(131.83,162.81) v1(131.83,160.27) v1(131.83,157.73) v1(131.83,155.19) v1(131.83,152.65) v1(131.83,150.11) v1(131.83,147.57) v1(131.83,145.03) v1(131.83,142.49) v1(131.83,139.95) v1(131.83,134.87) v1(131.83,127.25) v1(131.83,124.71) v1(131.83,119.63) v1(131.83,117.09) v1(131.83,114.55) v1(131.83,112.01) v1(131.83,109.47) v1(131.83,106.93) v1(131.83,104.39) v1(131.83,101.85) v1(131.83,99.31) v1(131.83,96.77) v1(131.83,91.69) v1(131.83,89.15) v1(131.83,86.61) v1(131.83,84.07) v1(131.83,78.99) v1(131.83,71.37) v1(131.83,68.83) v1(131.83,51.05) v1(131.83,5.33) v1(131.83,2.79) v1(134.37,165.35) v1(134.37,162.81) v1(134.37,160.27) v1(134.37,157.73) v1(134.37,155.19) v1(134.37,152.65) v1(134.37,150.11) v1(134.37,147.57) v1(134.37,145.03) v1(134.37,142.49) v1(134.37,137.41) v1(134.37,134.87) v1(134.37,127.25) v1(134.37,124.71) v1(134.37,119.63) v1(134.37,117.09) v1(134.37,71.37) v1(134.37,68.83) v1(134.37,63.75) v1(134.37,45.97) v1(134.37,28.19) v1(134.37,18.03) v1(134.37,15.49) v1(134.37,10.41) v1(134.37,5.33) v1(134.37,2.79) v1(136.91,165.35) v1(136.91,162.81) v1(136.91,160.27) v1(136.91,157.73) v1(136.91,155.19) v1(136.91,152.65) v1(136.91,150.11) v1(136.91,147.57) v1(136.91,145.03) v1(136.91,142.49) v1(136.91,139.95) v1(136.91,137.41) v1(136.91,127.25) v1(136.91,35.81) v1(136.91,30.73) v1(136.91,28.19) v1(136.91,23.11) v1(136.91,20.57) v1(136.91,18.03) v1(136.91,15.49) v1(136.91,12.95) v1(136.91,10.41) v1(136.91,7.87) v1(136.91,5.33) v1(136.91,2.79) v1(139.45,165.35) v1(139.45,160.27) v1(139.45,157.73) v1(139.45,155.19) v1(139.45,152.65) v1(139.45,150.11) v1(139.45,147.57) v1(139.45,145.03) v1(139.45,142.49) v1(139.45,137.41) v1(139.45,114.55) v1(139.45,109.47) v1(139.45,91.69) v1(139.45,84.07) v1(139.45,78.99) v1(139.45,73.91) v1(139.45,68.83) v1(139.45,58.67) v1(139.45,45.97) v1(139.45,35.81) v1(139.45,23.11) v1(139.45,20.57) v1(139.45,18.03) v1(139.45,15.49) v1(139.45,12.95) v1(139.45,10.41) v1(139.45,7.87) v1(139.45,5.33) v1(139.45,2.79) v1(141.99,165.35) v1(141.99,162.81) v1(141.99,160.27) v1(141.99,157.73) v1(141.99,155.19) v1(141.99,152.65) v1(141.99,150.11) v1(141.99,147.57) v1(141.99,145.03) v1(141.99,142.49) v1(141.99,137.41) v1(141.99,127.25) v1(141.99,119.63) v1(141.99,109.47) v1(141.99,91.69) v1(141.99,68.83) v1(141.99,63.75) v1(141.99,51.05) v1(141.99,45.97) v1(141.99,40.89) v1(141.99,35.81) v1(141.99,30.73) v1(141.99,23.11) v1(141.99,20.57) v1(141.99,18.03) v1(141.99,15.49) v1(141.99,12.95) v1(141.99,10.41) v1(141.99,7.87) v1(141.99,5.33) v1(141.99,2.79) v1(144.53,165.35) v1(144.53,157.73) v1(144.53,155.19) v1(144.53,152.65) v1(144.53,150.11) v1(144.53,147.57) v1(144.53,145.03) v1(144.53,142.49) v1(144.53,137.41) v1(144.53,86.61) v1(144.53,78.99) v1(144.53,73.91) v1(144.53,23.11) v1(144.53,20.57) v1(144.53,18.03) v1(144.53,15.49) v1(144.53,12.95) v1(144.53,10.41) v1(144.53,7.87) v1(147.07,165.35) v1(147.07,160.27) v1(147.07,157.73) v1(147.07,155.19) v1(147.07,152.65) v1(147.07,150.11) v1(147.07,147.57) v1(147.07,145.03) v1(147.07,142.49) v1(147.07,137.41) v1(147.07,132.33) v1(147.07,23.11) v1(147.07,20.57) v1(147.07,18.03) v1(147.07,15.49) v1(147.07,12.95) v1(147.07,10.41) v1(147.07,7.87) v1(147.07,2.79)
